# KiCad board 4-ch-backplane.kicad_pcb (continued)
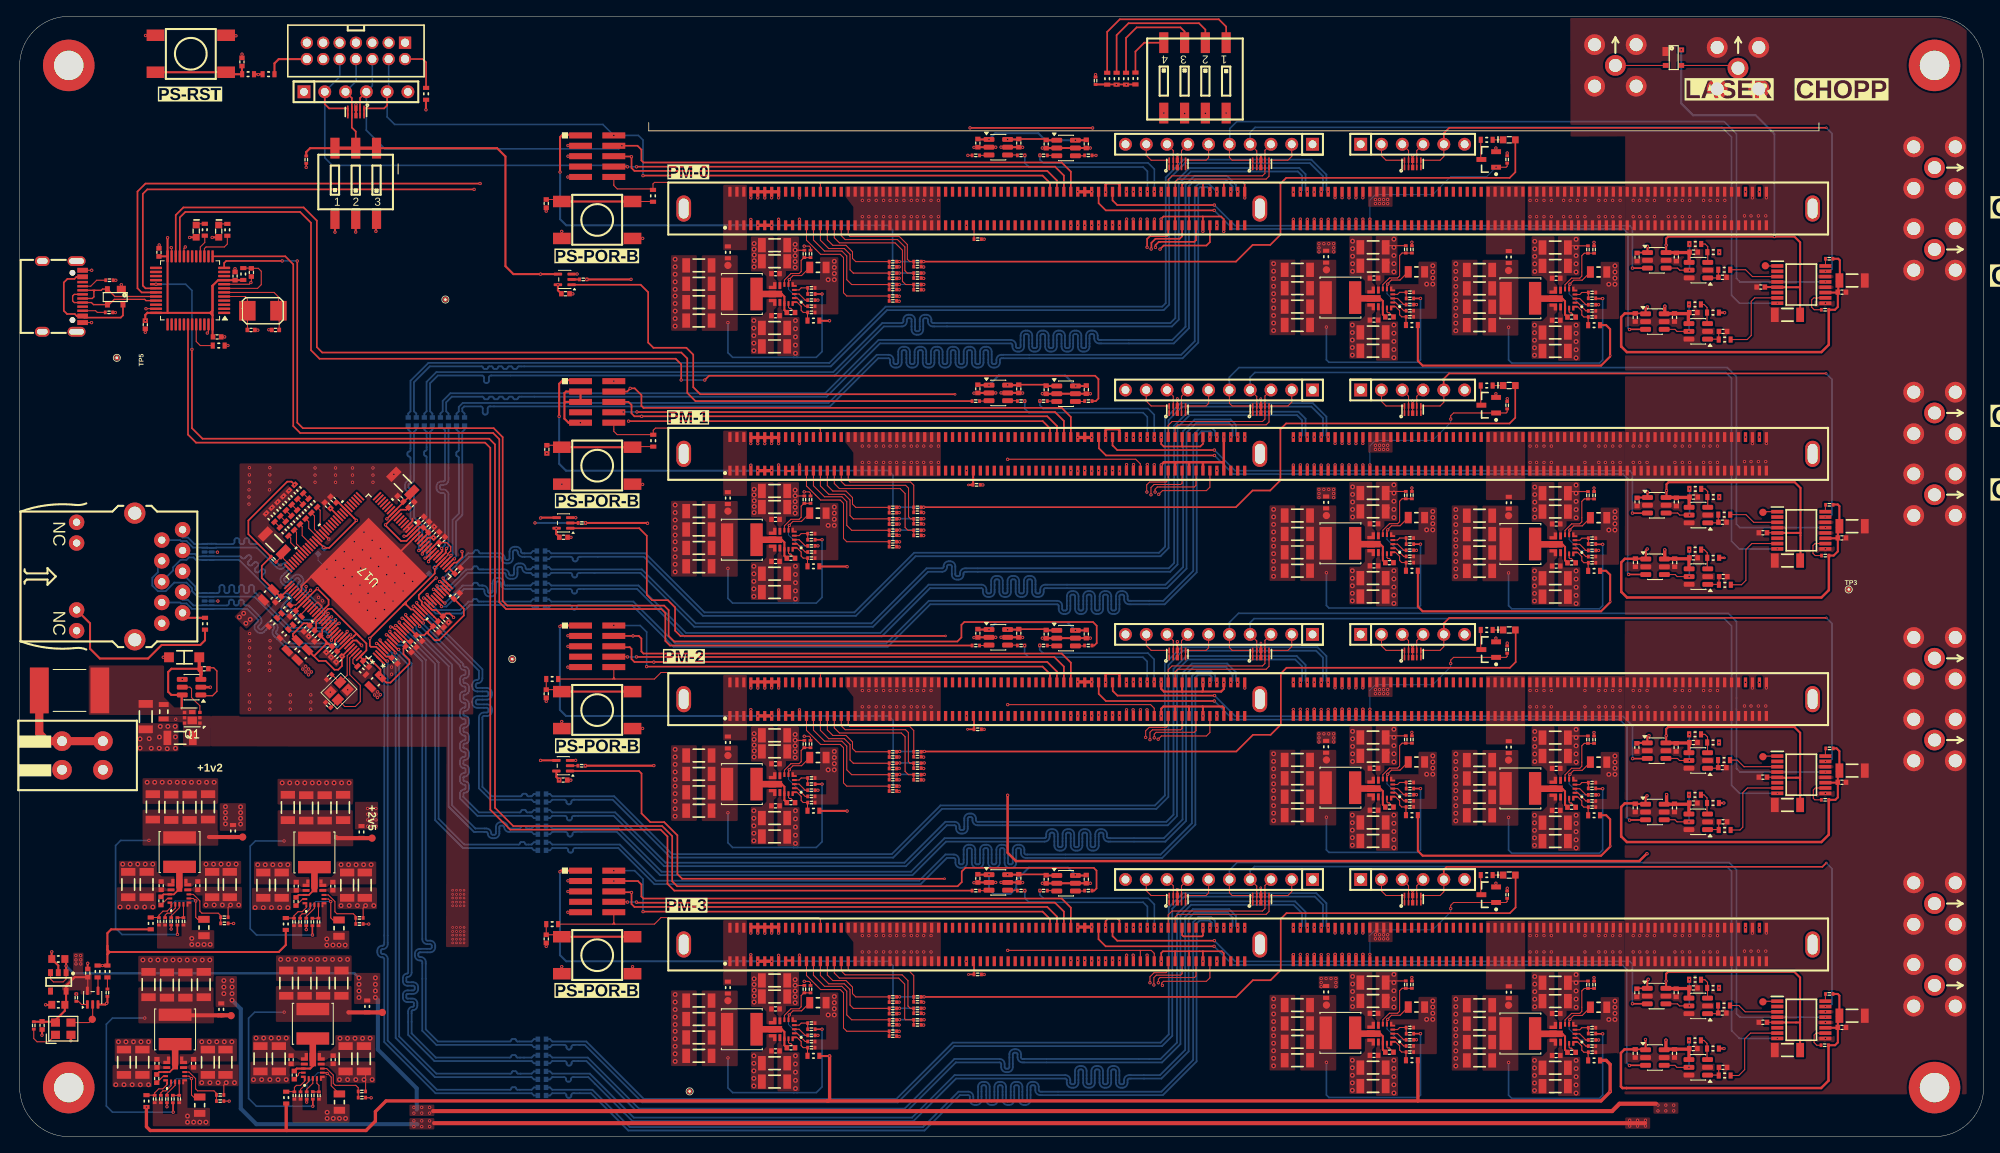
[diagram p0: board, top side]
## Library data of the parts (continued)
R9 = -: Description: RES 26.1K OHM 1/10W 1% 0402 SMD; Manufacturer: Panasonic Electronic Components; Manufacturer Part Number: ERJ-2RKF2612X; cad-reference: ERJ-2RKF2612X; ki_fp_filters: example:R0402_0.40MM_HD
R24 R25 R68 R75 R87 R94 R108 R115 R116 R124 R125 R169-R171 R207-R209 = -: Description: RES 12K OHM 1/10W 1% 0402 SMD; Manufacturer: Panasonic Electronic Components; Manufacturer Part Number: ERJ-2RKF1202X; cad-reference: ERJ-2RKF1202X; ki_fp_filters: example:R0402_0.40MM_HD
R26 R27 R133-R139 R149 R151 R189 R235-R238 R301 R302 = -: Description: RES 1K OHM 1/10W 1% 0603 SMD; Manufacturer: Panasonic Electronic Components; Manufacturer Part Number: ERJ-3EKF1001V; cad-reference: ERJ-3EKF1001V; ki_fp_filters: example:R0603_0.55MM_HD
R30 R31 R56 R59 R81 R84 R100 R152 R157 R158 R190 R195 R196 = -: Description: RES 90.9K OHM 1/10W 1% 0402 SMD; Manufacturer: Panasonic Electronic Components; Manufacturer Part Number: ERJ-2RKF9092X; cad-reference: ERJ-2RKF9092X; ki_fp_filters: example:R0402_0.40MM_HD
R37-R44 R48 R63 R175-R177 R213-R215 = -: Description: RES 24.9K OHM 1/10W 1% 0402 SMD; Manufacturer: Panasonic Electronic Components; Manufacturer Part Number: ERJ-2RKF2492X; cad-reference: ERJ-2RKF2492X; ki_fp_filters: example:R0402_0.40MM_HD
R67 R70 R71 R73 R82 R83 R85 R86 R93 R96 R101 R104 R109-R112 R117-R121 R129-R132 R141-R148 R160-R162 R166-R168 R198-R200 R204-R206 = -: Description: RES 0.0 OHM 1/10W JUMP 0603 SMD; Manufacturer: Panasonic Electronic Components; Manufacturer Part Number: ERJ-3GEY0R00V; cad-reference: ERJ-3GEY0R00V; ki_fp_filters: example:R0603_0.55MM_HD
R123 R126 R159 R197 = -: Description: RES 37.4K OHM 1/10W 1% 0402 SMD; Manufacturer: Panasonic Electronic Components; Manufacturer Part Number: ERJ-2RKF3742X; cad-reference: ERJ-2RKF3742X; ki_fp_filters: example:R0402_0.40MM_HD
R127 = -: Description: RES 0.0 OHM 1/8W JUMP 0805 SMD; Manufacturer: Panasonic Electronic Components; Manufacturer Part Number: ERJ-6GEY0R00V; cad-reference: ERJ-6GEY0R00V; ki_fp_filters: example:R0805_0.70MM_HD
R150 = -: Description: RES 6.04K OHM 1/10W 1% 0603 SMD; Manufacturer: Panasonic Electronic Components; Manufacturer Part Number: ERJ-3EKF6041V; cad-reference: ERJ-3EKF6041V; ki_fp_filters: example:R0603_0.55MM_HD
R242 R243 = -: Description: RES 5.1K OHM 1/10W 1% 0402 SMD; Manufacturer: Panasonic Electronic Components; Manufacturer Part Number: ERJ-2RKF5101X; cad-reference: ERJ-2RKF5101X; ki_fp_filters: example:R0402_0.40MM_HD
R244-R300 R303-R321 = -: Description: RES 0.0 OHM 1/10W JUMP 0402 SMD; Manufacturer: Panasonic Electronic Components; Manufacturer Part Number: ERJ-2GE0R00X; cad-reference: ERJ-2GE0R00X; ki_fp_filters: example:R0402_0.40MM_HD
SW1 = -: Description: 4 - SWITCH SLIDE DIP SPST 0.1A 20V; Manufacturer: CTS Electrocomponents; ki_fp_filters: example:219-4MST
SW6-SW8 SW11 SW13 = -: Description: SWITCH TACTILE SPST-NO 0.05A 24V; Manufacturer: TE Connectivity ALCOSWITCH Switches; ki_fp_filters: example:FSM4JSMATR
TP7-TP27 = -: Manufacturer: Example; Manufacturer Part Number: SMT_TP-35; cad-reference: SMT_TP-35; flags: NO_BOM; ki_fp_filters: example:SMT_TP-35
U1 = -: Description: Linear Voltage Regulator IC Positive Adjustable 1 Output 1A 6-WSON (2x2); KiLib_Generator: package/gullwing; Manufacturer: Texas Instruments
U2 U3 U18 = -: Description: Buck Switching Regulator IC Positive Adjustable 0.5V 1 Output 3A 14-PowerVFQFN; Manufacturer: Texas Instruments
U4 U6 U8 U9 U27 U28 U33 U34 U52-U59 = -: KiLib_Generator: package/gullwing; Manufacturer: Diodes Incorporated; cad-reference: 74LVC1T45GW,125
U5 U7 U29 U35 U43-U46 = -: KiLib_Generator: package/gullwing; Manufacturer: TI
U10 = -: Description: 300mA Fixed 3.3V Positive electrode 6V SOT-23-5 Voltage Regulators - Linear, Low Drop Out (LDO) Regulators ROHS; Manufacturer: Texas Instruments; ki_fp_filters: example:SOT23-5
U13 U39-U41 = -: KiLib_Generator: package/gullwing; Manufacturer: Texas Instruments
U16 U51 = -: Description: 6V Unidirectional 5.5V SOT-143 ESD and Surge Protection (TVS/ESD) ROHS; Manufacturer: Nexperia; cad-reference: PRTR5V0U2X_215
U17 = -: ki_fp_filters: TQFP128_EP_TX_MCH TQFP128_EP_TX_MCH-M TQFP128_EP_TX_MCH-L
U19-U25 U30-U32 U36-U38 = -: Description: -40℃~+150℃@(TJ) 1 1.6mA 1MHz 4V~18V 500mV~5.5V 6A Adjustable Buck Buck Built-In Yes VQFN-14-HR(2.5x3) DC-DC Converters ROHS; Manufacturer: Texas Instruments
U42 = -: Datasheet: https://item.szlcsc.com/datasheet/CH344L/3103740.html; KiLib_Generator: package/gullwing; LCSC PART NAME: USB转4串口芯片; SUPPLIER PART: C2887250; MANUFACTURER: WCH(南京沁恒); SUPPLIER FOOTPRINT: LQFP-48(7x7); JLCPCB PART CLASS: Extended Part; SUPPLIER: LCSC; ADD INTO BOM: yes; CONVERT TO PCB: yes; APPLICATIONS FUNCTION: USB to UART; USB PROTOCOL: USB 2.0; NUMBER OF CHANNELS: 4; VOLTAGE - SUPPLY: 3.3V；5V; DATA RATE: -; OPERATING TEMPERATURE: -40℃~+85℃; ki_fp_filters: *LQFP-48_L7.0-W7.0-P0.50-LS9.0-BL*
U47-U50 = -: Datasheet: https://componentsearchengine.com/Datasheets/2/AD5697RBRUZ.pdf; Description: Analog Devices AD5697RBRUZ, 2-channel 12 bit Serial DAC, 16-Pin TSSOP; Height: 1.2; Mouser Part Number: 584-AD5697RBRUZ; Mouser Price/Stock: https://www.mouser.co.uk/ProductDetail/Analog-Devices/AD5697RBRUZ?qs=NmRFExCfTkGiAz3P453SBg%3D%3D; Manufacturer_Name: Analog Devices
USB2 = -: Datasheet: https://lcsc.com/product-detail/USB-Connectors_XKB-Enterprise-U262-16XN-4BVC11_C319148.html; Manufacturer: XKB Connection; Manufacturer Part Number: U262-161N-4BVC11
X1 = -: Description: CRYSTAL 8.0000MHZ 18PF SMD; Manufacturer: Abracon LLC; Manufacturer Part Number: ABM3-8.000MHZ-D2Y-T; cad-reference: ABM3-8.000MHZ-D2Y-T; ki_fp_filters: example:ABM3
Y1 = -: Description: -40℃~+85℃ 1MHz 3.3V 4.5mA LVCMOS ±25ppm SMD2520-4P Programmable Oscillators ROHS; Manufacturer: SiTime
Y2 = -: Description: 25 MHz ±10ppm Crystal 18pF 50 Ohms 4-SMD, No Lead; Manufacturer: ECS Inc.; Manufacturer PN: ECS-250-18-36B-CKY-TR

## Footprints (pads in the part's own frame, mm; a bottom-side part is the same pattern mirrored in y, then rotated)
100_1_6
  rect 1.575x1.575 hole 0.965: 1(-6.35,0)
  round 1.575 hole 0.965: 2(-3.81,0) 3(-1.27,0) 4(1.27,0) 5(3.81,0) 6(6.35,0)
100_1_10
  rect 1.575x1.575 hole 0.965: 1(-11.43,0)
  round 1.575 hole 0.965: 2(-8.89,0) 3(-6.35,0) 4(-3.81,0) 5(-1.27,0) 6(1.27,0) 7(3.81,0) 8(6.35,0) 9(8.89,0) 10(11.43,0)
219-3MST
  rect 1.118x2.54 smd: 1(-2.54,-4.305) 2(-2.54,4.305) 3(0,-4.305) 4(0,4.305) 5(2.54,-4.305) 6(2.54,4.305)
219-4MST
  rect 1.118x2.54 smd: 1(-3.81,-4.305) 2(-3.81,4.305) 3(-1.27,-4.305) 4(-1.27,4.305) 5(1.27,-4.305) 6(1.27,4.305) 7(3.81,-4.305) 8(3.81,4.305)
2601-1102
  round 2.4 hole 1.2: 1(-1.75,2.5) 1(-1.75,-2.5) 2(1.75,2.5) 2(1.75,-2.5)
90414-15011-21
  oval 1.8x3.2 hole 1.2x2.45: 0(-68.975,0) 0(1.425,0) 0(68.975,0)
  rect 0.4x1.2 smd: 1(-63.325,-2.05) 2(-62.475,-2.05) 3(-61.625,-2.05) 4(-60.775,-2.05) 5(-59.925,-2.05) 6(-59.075,-2.05) 7(-58.225,-2.05) 8(-57.375,-2.05) 9(-56.525,-2.05) 10(-55.675,-2.05) 11(-54.825,-2.05) 12(-53.975,-2.05) 13(-53.125,-2.05) 14(-52.275,-2.05) 15(-51.425,-2.05) 16(-50.575,-2.05) 17(-49.725,-2.05) 18(-48.875,-2.05) 19(-48.025,-2.05) 20(-47.175,-2.05) 21(-46.325,-2.05) 22(-45.475,-2.05) 23(-44.625,-2.05) 24(-43.775,-2.05) 25(-42.925,-2.05) 26(-42.075,-2.05) 27(-41.225,-2.05) 28(-40.375,-2.05) 29(-39.525,-2.05) 30(-38.675,-2.05) 31(-37.825,-2.05) 32(-36.975,-2.05) 33(-36.125,-2.05) 34(-35.275,-2.05) 35(-34.425,-2.05) 36(-33.575,-2.05) 37(-32.725,-2.05) 38(-31.875,-2.05) 39(-31.025,-2.05) 40(-30.175,-2.05) 41(-29.325,-2.05) 42(-28.475,-2.05) 43(-27.625,-2.05) 44(-26.775,-2.05) 45(-25.925,-2.05) 46(-25.075,-2.05) 47(-24.225,-2.05) 48(-23.375,-2.05) 49(-22.525,-2.05) 50(-21.675,-2.05) 51(-20.825,-2.05) 52(-19.975,-2.05) 53(-19.125,-2.05) 54(-18.275,-2.05) 55(-17.425,-2.05) 56(-16.575,-2.05) 57(-15.725,-2.05) 58(-14.875,-2.05) 59(-14.025,-2.05) 60(-13.175,-2.05) 61(-12.325,-2.05) 62(-11.475,-2.05) 63(-10.625,-2.05) 64(-9.775,-2.05) 65(-8.925,-2.05) 66(-8.075,-2.05) 67(-7.225,-2.05) 68(-6.375,-2.05) 69(-5.525,-2.05) 70(-4.675,-2.05) 71(-3.825,-2.05) 72(-2.975,-2.05) 73(-2.125,-2.05) 74(-1.275,-2.05) 75(-0.425,-2.05) 76(5.525,-2.05) 77(6.375,-2.05) 78(7.224,-2.05) 79(8.075,-2.05) 80(8.924,-2.05) 81(9.775,-2.05) 82(10.624,-2.05) 83(11.475,-2.05) 84(12.325,-2.05) 85(13.175,-2.05) 86(14.025,-2.05) 87(14.875,-2.05) 88(15.725,-2.05) 89(16.575,-2.05) 90(17.425,-2.05) 91(18.275,-2.05) 92(19.125,-2.05) 93(19.974,-2.05) 94(20.825,-2.05) 95(21.675,-2.05) 96(22.525,-2.05) 97(23.374,-2.05) 98(24.224,-2.05) 99(25.075,-2.05) 100(25.924,-2.05) 101(26.775,-2.05) 102(27.624,-2.05) 103(28.475,-2.05) 104(29.325,-2.05) 105(30.175,-2.05) 106(31.024,-2.05) 107(31.875,-2.05) 108(32.725,-2.05) 109(33.575,-2.05) 110(34.424,-2.05) 111(35.274,-2.05) 112(36.125,-2.05) 113(36.975,-2.05) 114(37.825,-2.05) 115(38.674,-2.05) 116(39.525,-2.05) 117(40.375,-2.05) 118(41.224,-2.05) 119(42.075,-2.05) 120(42.924,-2.05) 121(43.774,-2.05) 122(44.625,-2.05) 123(45.475,-2.05) 124(46.325,-2.05) 125(47.175,-2.05) 126(48.024,-2.05) 127(48.875,-2.05) 128(49.725,-2.05) 129(50.575,-2.05) 130(51.424,-2.05) 131(52.275,-2.05) 132(53.125,-2.05) 133(53.975,-2.05) 134(54.825,-2.05) 135(55.675,-2.05) 136(56.525,-2.05) 137(57.374,-2.05) 138(58.225,-2.05) 139(59.074,-2.05) 140(59.924,-2.05) 141(60.774,-2.05) 142(61.624,-2.05) 143(62.474,-2.05) 144(63.324,-2.05) 145(-63.325,2.05) 146(-62.475,2.05) 147(-61.625,2.05) 148(-60.775,2.05) 149(-59.925,2.05) 150(-59.075,2.05) 151(-58.225,2.05) 152(-57.375,2.05) 153(-56.525,2.05) 154(-55.675,2.05) 155(-54.825,2.05) 156(-53.975,2.05) 157(-53.125,2.05) 158(-52.275,2.05) 159(-51.425,2.05) 160(-50.575,2.05) 161(-49.725,2.05) 162(-48.875,2.05) 163(-48.025,2.05) 164(-47.175,2.05) 165(-46.325,2.05) 166(-45.475,2.05) 167(-44.625,2.05) 168(-43.775,2.05) 169(-42.925,2.05) 170(-42.075,2.05) 171(-41.225,2.05) 172(-40.375,2.05) 173(-39.525,2.05) 174(-38.675,2.05) 175(-37.825,2.05) 176(-36.975,2.05) 177(-36.125,2.05) 178(-35.275,2.05) 179(-34.425,2.05) 180(-33.575,2.05) 181(-32.725,2.05) 182(-31.875,2.05) 183(-31.025,2.05) 184(-30.175,2.05) 185(-29.325,2.05) 186(-28.475,2.05) 187(-27.625,2.05) 188(-26.775,2.05) 189(-25.925,2.05) 190(-25.075,2.05) 191(-24.225,2.05) 192(-23.375,2.05) 193(-22.525,2.05) 194(-21.675,2.05) 195(-20.825,2.05) 196(-19.975,2.05) 197(-19.125,2.05) 198(-18.275,2.05) 199(-17.425,2.05) 200(-16.575,2.05) 201(-15.725,2.05) 202(-14.875,2.05) 203(-14.025,2.05) 204(-13.175,2.05) 205(-12.325,2.05) 206(-11.475,2.05) 207(-10.625,2.05) 208(-9.775,2.05) 209(-8.925,2.05) 210(-8.075,2.05) 211(-7.225,2.05) 212(-6.375,2.05) 213(-5.525,2.05) 214(-4.675,2.05) 215(-3.825,2.05) 216(-2.975,2.05) 217(-2.125,2.05) 218(-1.275,2.05) 219(-0.425,2.05) 220(5.525,2.05) 221(6.375,2.05) 222(7.225,2.05) 223(8.075,2.05) 224(8.925,2.05) 225(9.775,2.05) 226(10.625,2.05) 227(11.475,2.05) 228(12.325,2.05) 229(13.175,2.05) 230(14.025,2.05) 231(14.875,2.05) 232(15.725,2.05) 233(16.575,2.05) 234(17.425,2.05) 235(18.275,2.05) 236(19.125,2.05) 237(19.975,2.05) 238(20.825,2.05) 239(21.675,2.05) 240(22.525,2.05) 241(23.375,2.05) 242(24.225,2.05) 243(25.075,2.05) 244(25.925,2.05) 245(26.775,2.05) 246(27.625,2.05) 247(28.475,2.05) 248(29.325,2.05) 249(30.175,2.05) 250(31.025,2.05) 251(31.875,2.05) 252(32.725,2.05) 253(33.575,2.05) 254(34.425,2.05) 255(35.275,2.05) 256(36.125,2.05) 257(36.975,2.05) 258(37.825,2.05) 259(38.675,2.05) 260(39.525,2.05) 261(40.375,2.05) 262(41.225,2.05) 263(42.075,2.05) 264(42.925,2.05) 265(43.775,2.05) 266(44.625,2.05) 267(45.475,2.05) 268(46.325,2.05) 269(47.175,2.05) 270(48.025,2.05) 271(48.875,2.05) 272(49.725,2.05) 273(50.575,2.05) 274(51.425,2.05) 275(52.275,2.05) 276(53.125,2.05) 277(53.975,2.05) 278(54.825,2.05) 279(55.675,2.05) 280(56.525,2.05) 281(57.375,2.05) 282(58.225,2.05) 283(59.075,2.05) 284(59.925,2.05) 285(60.775,2.05) 286(61.625,2.05) 287(62.475,2.05) 288(63.325,2.05)
ABM3
  rect 2x2.4 smd: 1(-1.9,0) 2(1.9,0)
C0402_0.55MM_HD
  rect 0.46x0.54 smd: 1(-0.45,0) 2(0.45,0)
C0402_0.55MM_MD
  rect 0.56x0.64 smd: 1(-0.5,0) 2(0.5,0)
C0603_0.90MM_MD
  rect 0.85x0.95 smd: 1(-0.8,0) 2(0.8,0)
C0805_1.45MM_MD
  rect 0.85x1.4 smd: 1(-1,0) 2(1,0)
C1206_1.80MM_MD
  rect 0.95x1.75 smd: 1(-1.55,0) 2(1.55,0)
C1206_2.00MM_MD
  rect 0.95x1.75 smd: 1(-1.55,0) 2(1.55,0)
D_SOD-123_P
  rect 1.2x1.2 smd: 1(-1.85,0) 2(1.85,0)
Diodes_UDFN2020-6_Type-F
  rect 0.425x0.4 smd: 1(-0.938,0.65) 2(-0.938,0) 3(-0.938,-0.65) 4(0.938,-0.65) 5(0.938,0) 6(0.938,0.65)
  rect 1.15x0.95 smd: 7(0,0.325)
  rect 0.8x0.48 smd: 8(0,-0.7)
FSM4JSMATR
  rect 1.397x2.159 smd: A(-2.261,4.318) A(-2.261,-4.318) B(2.261,4.318) B(2.261,-4.318)
FTSH-105-05-F-DV
  rect 0.001x0.001 hole 0.965 unplated: (-1.905,0) (1.905,0)
  rect 0.737x2.794 smd: 1(-2.54,-2.032) 2(-2.54,2.032) 3(-1.27,-2.032) 4(-1.27,2.032) 5(0,-2.032) 6(0,2.032) 7(1.27,-2.032) 8(1.27,2.032) 9(2.54,-2.032) 10(2.54,2.032)
FUSE_0ZCF0075AF2C
  rect 2.3x5.6 smd: 1(-3.7,0) 2(3.7,0)
HFJ11-1G01ERL
  round 0.001 hole 3.25 unplated: (-5.715,0) (5.715,0)
  round 2.6 hole 1.6: 0(-7.745,3.05) 0(7.745,3.05)
  round 1.89 hole 0.89: 1(-5.72,8.89) 2(-4.45,6.35) 3(-3.18,8.89) 4(-1.91,6.35) 5(-0.64,8.89) 6(0.64,6.35) 7(1.91,8.89) 8(3.18,6.35) 9(4.45,8.89) 10(5.72,6.35) 11(-6.63,-4.06) 12(-4.09,-4.06) 13(4.09,-4.06) 14(6.63,-4.06)
IND_VLS5045EX-3R3N
  rect 1.5x4 smd: 1(-1.8,0) 2(1.8,0)
LED-0603-GREEN
  rect 0.8x0.85 smd: A(-0.75,0) C(0.75,0)
LQFP-48_7x7mm_P0.5mm
  rrect 1.475x0.3 smd: 1(-4.162,2.75) 2(-4.162,2.25) 3(-4.162,1.75) 4(-4.162,1.25) 5(-4.162,0.75) 6(-4.162,0.25) 7(-4.162,-0.25) 8(-4.162,-0.75) 9(-4.162,-1.25) 10(-4.162,-1.75) 11(-4.162,-2.25) 12(-4.162,-2.75) 25(4.162,-2.75) 26(4.162,-2.25) 27(4.162,-1.75) 28(4.162,-1.25) 29(4.162,-0.75) 30(4.162,-0.25) 31(4.162,0.25) 32(4.162,0.75) 33(4.162,1.25) 34(4.162,1.75) 35(4.162,2.25) 36(4.162,2.75)
  rrect 0.3x1.475 smd: 13(-2.75,-4.162) 14(-2.25,-4.162) 15(-1.75,-4.162) 16(-1.25,-4.162) 17(-0.75,-4.162) 18(-0.25,-4.162) 19(0.25,-4.162) 20(0.75,-4.162) 21(1.25,-4.162) 22(1.75,-4.162) 23(2.25,-4.162) 24(2.75,-4.162) 37(2.75,4.162) 38(2.25,4.162) 39(1.75,4.162) 40(1.25,4.162) 41(0.75,4.162) 42(0.25,4.162) 43(-0.25,4.162) 44(-0.75,4.162) 45(-1.25,4.162) 46(-1.75,4.162) 47(-2.25,4.162) 48(-2.75,4.162)
M3
  round 0.001 hole 0.6: 1(-2.475,0) 1(-2.287,0.947) 1(-2.287,-0.947) 1(-1.75,1.75) 1(-1.75,-1.75) 1(-0.947,2.287) 1(-0.947,-2.287) 1(0,2.475) 1(0,-2.475) 1(0.947,2.287) 1(0.947,-2.287) 1(1.75,1.75) 1(1.75,-1.75) 1(2.287,0.947) 1(2.287,-0.947) 1(2.475,0)
  round 6.3 hole 3.6: 1(0,0)
OSC-SMD_4P-L2.5-W2.0-P1.50-BL
  rect 1.1x1 smd: 1(-0.95,-0.75) 2(0.95,-0.75) 3(0.95,0.75) 4(-0.95,0.75)
R0402_0.40MM_HD
  rect 0.35x0.45 smd: 1(-0.45,0) 2(0.45,0)
R0603_0.55MM_HD
  rect 0.5x0.75 smd: 1(-0.725,0) 2(0.725,0)
R0805_0.60MM_HD
  rect 0.75x1.35 smd: 1(-0.875,0) 2(0.875,0)
R0805_0.70MM_HD
  rect 0.6x1.2 smd: 1(-0.875,0) 2(0.875,0)
SHDR14W55P200_2X7_1665X630X640
  rect 1.5x1.5 hole 1: 1(0,0)
  round 1.5 hole 1: 2(0,2) 3(2,0) 4(2,2) 5(4,0) 6(4,2) 7(6,0) 8(6,2) 9(8,0) 10(8,2) 11(10,0) 12(10,2) 13(12,0) 14(12,2)
SLP2510P8_L2.5-W1.0-P0.50-BL
  rect 0.2x0.68 smd: 1(-1,-0.44) 2(-0.5,-0.44) 4(0.5,-0.44) 5(1,-0.44) 6(1,0.44) 7(0.5,0.44) 9(-0.5,0.44) 10(-1,0.44)
  rect 0.4x0.68 smd: 3(0,-0.44) 8(0,0.44)
SMA-J-P-RA-TH1
  round 2.54 hole 1.6: 1(0,0) 2(-2.54,2.54) 2(-2.54,-2.54) 2(2.54,2.54) 2(2.54,-2.54)
SMA-J-P-RA-TH1#2
  round 2.54 hole 1.6: 1(-0.019,-0.336) 2(-2.559,2.204) 2(-2.559,-2.876) 2(2.521,2.204) 2(2.521,-2.876)
SMT_TP-25_GND
  round 0.635 hole 0.3: 1(0,0)
SMT_TP-35
  round 0.889 smd: 1(0,0)
SMT_TP-35#2
  round 0.889 smd: 1(0.001,-0.064)
SMT_TP-35#3
  round 0.889 smd: 1(-0.425,0)
SMT_TP-35#4
  round 0.889 smd: 1(-5.139,0)
SMT_TP-35#5
  round 0.889 smd: 1(-0.069,0.816)
SMT_TP-35#6
  round 0.889 smd: 1(-3.539,0)
SMT_TP-35#7
  round 0.889 smd: 1(-0.3,-0.1)
SOP65P640X120-16N
  rect 1.475x0.45 smd: 1(-2.938,2.275) 2(-2.938,1.625) 3(-2.938,0.975) 4(-2.938,0.325) 5(-2.938,-0.325) 6(-2.938,-0.975) 7(-2.938,-1.625) 8(-2.938,-2.275) 9(2.938,-2.275) 10(2.938,-1.625) 11(2.938,-0.975) 12(2.938,-0.325) 13(2.938,0.325) 14(2.938,0.975) 15(2.938,1.625) 16(2.938,2.275)
SOT23-5
  rect 0.85x0.6 smd: 1(-1.125,0.95) 2(-1.125,0) 3(-1.125,-0.95) 4(1.125,-0.95) 5(1.125,0.95)
SOT143B
  rect 1.1x0.8 smd: 1(-0.751,-0.95)
  rect 0.6x0.7 smd: 2(0.951,-0.95) 3(0.951,0.95) 4(-0.951,0.95)
SOT-23
  rect 1.2x0.6 smd: 1(-0.9,0.95) 2(-0.9,-0.95) 3(0.9,0)
SOT-23-6
  rrect 1.325x0.6 smd: 1(-1.137,0.95) 2(-1.137,0) 3(-1.137,-0.95) 4(1.137,-0.95) 5(1.137,0) 6(1.137,0.95)
SOT-353_SC-70-5
  rrect 1.025x0.35 smd: 1(-0.838,0.65) 2(-0.838,0) 3(-0.838,-0.65) 4(0.838,-0.65) 5(0.838,0.65)
TPS62918QRPYRQ1
  rect 0.35x0.225 smd: 1(-1.524,0.988) 5(-1.524,-0.988) 10(1.524,0.238) 10(1.524,-0.238)
  rect 0.275x0.575 smd: 1(-1.212,1.163) 5(-1.212,-1.163)
  rect 0.575x0.25 smd: 2(-1.412,0.499) 3(-1.412,0) 4(-1.412,-0.499)
  rect 0.25x0.575 smd: 6(-0.7,-1.163) 7(-0.2,-1.163) 13(-0.2,1.163) 14(-0.7,1.163)
  rect 0.35x0.85 smd: 8(0.35,-1.025) 12(0.35,1.025)
  rect 0.4x0.85 smd: 9(0.975,-1.025) 11(0.975,1.025)
  rect 0.525x0.4 smd: 9(1.437,-0.8) 11(1.437,0.8)
  rect 1.225x0.7 smd: 10(0.737,0)
TPS543620RPYR
  custom 0.635x0.585 smd: 1(-1.6,1) 5(-1.6,-1)
  rect 0.575x0.25 smd: 2(-1.413,0.499) 3(-1.413,0) 4(-1.413,-0.499)
  rect 0.25x0.575 smd: 6(-0.701,-1.163) 7(-0.2,-1.163) 13(-0.2,1.163) 14(-0.701,1.163)
  rect 0.35x0.85 smd: 8(0.35,-1.025) 12(0.35,1.025)
  custom 0.935x0.86 smd: 9(1.6,-0.8) 11(1.6,0.8)
  rect 1.675x0.8 smd: 10(0.912,0)
TQFP128_EP_TX_MCH
  rect 1.353x0.229 smd: 1(-7.674,6.2) 2(-7.674,5.8) 3(-7.674,5.4) 4(-7.674,5) 5(-7.674,4.6) 6(-7.674,4.2) 7(-7.674,3.8) 8(-7.674,3.4) 9(-7.674,3) 10(-7.674,2.6) 11(-7.674,2.2) 12(-7.674,1.8) 13(-7.674,1.4) 14(-7.674,1) 15(-7.674,0.6) 16(-7.674,0.2) 17(-7.674,-0.2) 18(-7.674,-0.6) 19(-7.674,-1) 20(-7.674,-1.4) 21(-7.674,-1.8) 22(-7.674,-2.2) 23(-7.674,-2.6) 24(-7.674,-3) 25(-7.674,-3.4) 26(-7.674,-3.8) 27(-7.674,-4.2) 28(-7.674,-4.6) 29(-7.674,-5) 30(-7.674,-5.4) 31(-7.674,-5.8) 32(-7.674,-6.2) 65(7.674,-6.2) 66(7.674,-5.8) 67(7.674,-5.4) 68(7.674,-5) 69(7.674,-4.6) 70(7.674,-4.2) 71(7.674,-3.8) 72(7.674,-3.4) 73(7.674,-3) 74(7.674,-2.6) 75(7.674,-2.2) 76(7.674,-1.8) 77(7.674,-1.4) 78(7.674,-1) 79(7.674,-0.6) 80(7.674,-0.2) 81(7.674,0.2) 82(7.674,0.6) 83(7.674,1) 84(7.674,1.4) 85(7.674,1.8) 86(7.674,2.2) 87(7.674,2.6) 88(7.674,3) 89(7.674,3.4) 90(7.674,3.8) 91(7.674,4.2) 92(7.674,4.6) 93(7.674,5) 94(7.674,5.4) 95(7.674,5.8) 96(7.674,6.2)
  rect 0.229x1.353 smd: 33(-6.2,-7.674) 34(-5.8,-7.674) 35(-5.4,-7.674) 36(-5,-7.674) 37(-4.6,-7.674) 38(-4.2,-7.674) 39(-3.8,-7.674) 40(-3.4,-7.674) 41(-3,-7.674) 42(-2.6,-7.674) 43(-2.2,-7.674) 44(-1.8,-7.674) 45(-1.4,-7.674) 46(-1,-7.674) 47(-0.6,-7.674) 48(-0.2,-7.674) 49(0.2,-7.674) 50(0.6,-7.674) 51(1,-7.674) 52(1.4,-7.674) 53(1.8,-7.674) 54(2.2,-7.674) 55(2.6,-7.674) 56(3,-7.674) 57(3.4,-7.674) 58(3.8,-7.674) 59(4.2,-7.674) 60(4.6,-7.674) 61(5,-7.674) 62(5.4,-7.674) 63(5.8,-7.674) 64(6.2,-7.674) 97(6.2,7.674) 98(5.8,7.674) 99(5.4,7.674) 100(5,7.674) 101(4.6,7.674) 102(4.2,7.674) 103(3.8,7.674) 104(3.4,7.674) 105(3,7.674) 106(2.6,7.674) 107(2.2,7.674) 108(1.8,7.674) 109(1.4,7.674) 110(1,7.674) 111(0.6,7.674) 112(0.2,7.674) 113(-0.2,7.674) 114(-0.6,7.674) 115(-1,7.674) 116(-1.4,7.674) 117(-1.8,7.674) 118(-2.2,7.674) 119(-2.6,7.674) 120(-3,7.674) 121(-3.4,7.674) 122(-3.8,7.674) 123(-4.2,7.674) 124(-4.6,7.674) 125(-5,7.674) 126(-5.4,7.674) 127(-5.8,7.674) 128(-6.2,7.674)
  rect 10.16x10.16 smd: EPAD(0,0)
USB-3.1-SMD_U262-161N-4BVC11
  round 0.7 hole 0.7 unplated: (-2.89,1.22) (2.89,1.22)
  oval 1.2x2.2 hole 0.7x1.8: 13(4.32,1.72) 16(-4.32,1.72)
  oval 1.2x1.8 hole 0.7x1.3: 14(4.32,-2.46) 15(-4.32,-2.46)
  rect 0.6x1.3 smd: A1B12(-3.2,2.46) A4B9(-2.4,2.46) B1A12(3.2,2.46) B4A9(2.4,2.46)
  rect 0.3x1.3 smd: A5(-1.25,2.46) A6(-0.25,2.46) A7(0.25,2.46) A8(1.25,2.46) B5(1.75,2.46) B6(0.75,2.46) B7(-0.75,2.46) B8(-1.75,2.46)
XTAL_ECS-250-18-36B-CKY-TR
  rect 1.2x1 smd: 1(-0.85,-0.65) 2(0.85,-0.65) 3(0.85,0.65) 4(-0.85,0.65)

## Nets
+1V2: FB2.1 FB3.1 R117.2
+1V8: C82.2 C93.2 C151.2 C156.2 C218.2 C219.2 C220.2 C221.2 C223.2 C224.2 C266.2 C268.2 C269.2 C319.2 C320.2 C321.2 C335.2 C336.2 C339.2 C340.2 C343.2 C344.2 C347.2 C348.2 FB4.1 J7.35 J9.35 J9.60 J11.35 J11.62 J35.35 J35.60 J35.62 R6.2 R47.2 R118.2 R128.2 R154.2 R155.2 R156.2 R187.2 R188.2 R192.2 R235.2 R236.2 R237.2 R238.2 U4.1 U6.1 U8.1 U9.1 U27.1 U28.1 U33.1 U34.1 U47.11 U48.11 U49.11 U50.11 U52.6 U53.1 U54.6 U55.1 U56.6 U57.1 U58.6 U59.1
+2V5: FB1.1 R109.2
+3v3: C71.2 C139.2 C150.2 C309.2 C310.2 C311.2 C312.2 C313.2 C314.2 C315.2 C337.2 C338.2 C341.2 C342.2 C345.2 C346.2 C349.2 C350.2 D34.A D35.A J6.13 J24.1 R23.2 R96.2 R112.1 R140.2 U10.5 U13.5 U39.5 U40.5 U41.5 U42.9 U42.24 U42.36 U42.48 U52.1 U53.6 U54.1 U55.6 U56.1 U57.6 U58.1 U59.6 Y1.4
+5V: C2.2 C5.2 C70.2 C83.2 C105.2 C152.2 C153.2 C155.2 C157.2 C167.2 C213.2 C214.2 C215.2 C216.2 C217.2 C225.2 C226.2 C227.2 C270.2 C271.2 C272.2 C322.2 C323.2 C324.2 C325.2 R101.2 U4.6 U5.4 U6.6 U7.4 U8.6 U9.6 U10.1 U10.3 U16.4 U27.6 U28.6 U29.4 U33.6 U34.6 U35.4 U43.4 U44.4 U45.4 U46.4 U47.5 U48.5 U49.5 U50.5
+12v: FU1.1 J3.1
/TOP_LEVEL_IO/NET_SWITCH/+1V8_ETH: C49.2 C195.2 C196.2 C197.2 C198.2 FB4.2 R13.2 R148.2 U17.49 U17.57 U17.74 U17.98
/TOP_LEVEL_IO/USB_UART_4CH/VBUS: U51.4 USB2.A4B9 USB2.B4A9
GND: C1.1 C2.1 C3.1 C4.1 C5.1 C6.1 C7.1 C8.1 C9.1 C10.1 C11.1 C12.1 C13.1 C14.1 C15.1 C16.1 C17.1 C18.1 C19.1 C20.1 C21.1 C22.1 C23.1 C24.1 C25.1 C26.1 C27.1 C28.1 C29.1 C30.1 C31.1 C32.1 C33.1 C34.1 C35.1 C36.1 C37.1 C38.1 C39.1 C40.1 C41.1 C42.1 C43.1 C44.1 C45.1 C46.1 C47.1 C48.1 C49.1 C50.1 C51.1 C52.1 C53.1 C54.1 C55.1 C56.1 C57.1 C58.1 C59.1 C60.1 C61.1 C62.1 C63.1 C64.1 C65.1 C66.1 C67.1 C70.1 C71.1 C72.1 C74.1 C75.1 C76.1 C77.1 C78.1 C79.1 C82.1 C83.1 C84.1 C85.1 C86.1 C87.1 C88.1 C89.1 C90.1 C91.1 C93.1 C94.1 C95.1 C96.1 C97.1 C98.1 C99.1 C100.1 C101.1 C102.1 C103.1 C105.1 C106.1 C107.1 C108.1 C109.1 C110.1 C111.1 C112.1 C113.1 C114.1 C115.1 C118.1 C119.1 C120.1 C121.1 C122.1 C123.1 C124.1 C125.1 C126.1 C138.1 C139.1 C146.1 C147.1 C148.1 C149.1 C150.1 C151.1 C152.1 C153.1 C154.1 C155.1 C156.1 C157.1 C167.1 C168.1 C169.1 C170.1 C171.1 C172.1 C173.1 C174.1 C175.1 C176.1 C177.1 C178.1 C179.1 C180.1 C181.1 C182.1 C183.1 C184.1 C185.1 C186.1 C187.1 C188.1 C189.1 C190.1 C191.1 C192.1 C193.1 C194.1 C195.1 C196.1 C197.1 C198.1 C213.1 C214.1 C215.1 C216.1 C217.1 C218.1 C219.1 C220.1 C221.1 C222.1 C223.1 C224.1 C225.1 C226.1 C227.1 C228.1 C229.1 C230.1 C231.1 C232.1 C233.1 C234.1 C235.1 C236.1 C237.1 C238.1 C239.1 C240.1 C241.1 C242.1 C243.1 C244.1 C245.1 C249.1 C250.1 C251.1 C252.1 C253.1 C254.1 C255.1 C256.1 C257.1 C258.1 C259.1 C260.1 C261.1 C262.1 C263.1 C264.1 C265.1 C266.1 C267.1 C268.1 C269.1 C270.1 C271.1 C272.1 C273.1 C274.1 C275.1 C276.1 C277.1 C278.1 C279.1 C280.1 C281.1 C282.1 C283.1 C284.1 C285.1 C286.1 C287.1 C288.1 C289.1 C290.1 C294.1 C295.1 C296.1 C297.1 C298.1 C299.1 C300.1 C301.1 C302.1 C303.1 C304.1 C305.1 C306.1 C307.1 C308.1 C309.1 C310.1 C311.1 C312.1 C313.1 C314.1 C315.1 C316.1 C317.1 C318.1 C319.1 C320.1 C321.1 C322.1 C323.1 C324.1 C325.1 C326.1 C327.1 C328.1 C329.1 C330.1 C331.1 C332.1 C333.1 C335.1 C336.1 C337.1 C338.1 C339.1 C340.1 C341.1 C342.1 C343.1 C344.1 C345.1 C346.1 C347.1 C348.1 C349.1 C350.1 D1.1 D2.3 D2.8 D4.3 D4.8 D5.3 D5.8 D6.3 D6.8 D8.3 D8.8 D9.3 D9.8 D10.3 D10.8 D11.3 D11.8 D12.3 D12.8 D19.3 D19.8 D22.3 D22.8 D23.3 D23.8 D24.3 D24.8 D28.3 D28.8 D29.3 D29.8 J2.1 J2.3 J2.5 J2.7 J2.9 J2.11 J2.13 J3.2 J4.2 J6.0 J6.10 J6.12 J7.4 J7.8 J7.11 J7.19 J7.20 J7.21 J7.22 J7.23 J7.24 J7.25 J7.26 J7.27 J7.28 J7.29 J7.30 J7.31 J7.50 J7.52 J7.54 J7.56 J7.58 J7.59 J7.60 J7.61 J7.62 J7.63 J7.65 J7.67 J7.69 J7.72 J7.76 J7.79 J7.82 J7.83 J7.84 J7.85 J7.86 J7.110 J7.111 J7.112 J7.113 J7.114 J7.115 J7.116 J7.117 J7.118 J7.119 J7.120 J7.121 J7.122 J7.123 J7.124 J7.125 J7.126 J7.127 J7.128 J7.129 J7.130 J7.131 J7.132 J7.133 J7.134 J7.135 J7.136 J7.137 J7.138 J7.139 J7.140 J7.141 J7.142 J7.143 J7.144 J7.148 J7.149 J7.150 J7.151 J7.152 J7.155 J7.162 J7.163 J7.164 J7.165 J7.166 J7.167 J7.168 J7.169 J7.170 J7.171 J7.172 J7.173 J7.174 J7.175 J7.195 J7.196 J7.197 J7.199 J7.201 J7.204 J7.207 J7.210 J7.213 J7.216 J7.219 J7.220 J7.223 J7.226 J7.227 J7.228 J7.229 J7.230 J7.254 J7.255 J7.256 J7.257 J7.258 J7.259 J7.260 J7.261 J7.262 J7.263 J7.264 J7.265 J7.266 J7.267 J7.268 J7.269 J7.270 J7.271 J7.272 J7.273 J7.274 J7.275 J7.276 J7.277 J7.278 J7.279 J7.280 J7.281 J7.282 J7.283 J7.284 J7.286 J7.288 J9.4 J9.8 J9.11 J9.19 J9.20 J9.21 J9.22 J9.23 J9.24 J9.25 J9.26 J9.27 J9.28 J9.29 J9.30 J9.31 J9.50 J9.52 J9.54 J9.56 J9.58 J9.59 J9.61 J9.62 J9.63 J9.65 J9.67 J9.69 J9.72 J9.76 J9.79 J9.82 J9.83 J9.84 J9.85 J9.86 J9.110 J9.111 J9.112 J9.113 J9.114 J9.115 J9.116 J9.117 J9.118 J9.119 J9.120 J9.121 J9.122 J9.123 J9.124 J9.125 J9.126 J9.127 J9.128 J9.129 J9.130 J9.131 J9.132 J9.133 J9.134 J9.135 J9.136 J9.137 J9.138 J9.139 J9.140 J9.141 J9.142 J9.143 J9.144 J9.148 J9.149 J9.150 J9.151 J9.152 J9.155 J9.162 J9.163 J9.164 J9.165 J9.166 J9.167 J9.168 J9.169 J9.170 J9.171 J9.172 J9.173 J9.174 J9.175 J9.195 J9.196 J9.197 J9.199 J9.201 J9.204 J9.207 J9.210 J9.213 J9.216 J9.219 J9.220 J9.223 J9.226 J9.227 J9.228 J9.229 J9.230 J9.254 J9.255 J9.256 J9.257 J9.258 J9.259 J9.260 J9.261 J9.262 J9.263 J9.264 J9.265 J9.266 J9.267 J9.268 J9.269 J9.270 J9.271 J9.272 J9.273 J9.274 J9.275 J9.276 J9.277 J9.278 J9.279 J9.280 J9.281 J9.282 J9.283 J9.284 J9.286 J9.288 J11.4 J11.8 J11.11 J11.19 J11.20 J11.21 J11.22 J11.23 J11.24 J11.25 J11.26 J11.27 J11.28 J11.29 J11.30 J11.31 J11.50 J11.52 J11.54 J11.56 J11.58 J11.59 J11.60 J11.61 J11.63 J11.65 J11.67 J11.69 J11.72 J11.76 J11.79 J11.82 J11.83 J11.84 J11.85 J11.86 J11.110 J11.111 J11.112 J11.113 J11.114 J11.115 J11.116 J11.117 J11.118 J11.119 J11.120 J11.121 J11.122 J11.123 J11.124 J11.125 J11.126 J11.127 J11.128 J11.129 J11.130 J11.131 J11.132 J11.133 J11.134 J11.135 J11.136 J11.137 J11.138 J11.139 J11.140 J11.141 J11.142 J11.143 J11.144 J11.148 J11.149 J11.150 J11.151 J11.152 J11.155 J11.162 J11.163 J11.164 J11.165 J11.166 J11.167 J11.168 J11.169 J11.170 J11.171 J11.172 J11.173 J11.174 J11.175 J11.195 J11.196 J11.197 J11.199 J11.201 J11.204 J11.207 J11.210 J11.213 J11.216 J11.219 J11.220 J11.223 J11.226 J11.227 J11.228 J11.229 J11.230 J11.254 J11.255 J11.256 J11.257 J11.258 J11.259 J11.260 J11.261 J11.262 J11.263 J11.264 J11.265 J11.266 J11.267 J11.268 J11.269 J11.270 J11.271 J11.272 J11.273 J11.274 J11.275 J11.276 J11.277 J11.278 J11.279 J11.280 J11.281 J11.282 J11.283 J11.284 J11.286 J11.288 J12.2 J13.3 J13.5 J13.9 J15.3 J15.5 J15.9 J16.1 J16.10 J17.1 J17.10 J18.2 J19.2 J20.2 J21.2 J22.1 J22.6 J23.1 J23.6 J24.6 J26.2 J27.2 J28.1 J28.6 J29.1 J29.10 J32.2 J33.2 J34.1 J34.6 J35.4 J35.8 J35.11 J35.19 J35.20 J35.21 J35.22 J35.23 J35.24 J35.25 J35.26 J35.27 J35.28 J35.29 J35.30 J35.31 J35.50 J35.52 J35.54 J35.56 J35.58 J35.59 J35.61 J35.63 J35.65 J35.67 J35.69 J35.72 J35.76 J35.79 J35.82 J35.83 J35.84 J35.85 J35.86 J35.110 J35.111 J35.112 J35.113 J35.114 J35.115 J35.116 J35.117 J35.118 J35.119 J35.120 J35.121 J35.122 J35.123 J35.124 J35.125 J35.126 J35.127 J35.128 J35.129 J35.130 J35.131 J35.132 J35.133 J35.134 J35.135 J35.136 J35.137 J35.138 J35.139 J35.140 J35.141 J35.142 J35.143 J35.144 J35.148 J35.149 J35.150 J35.151 J35.152 J35.155 J35.162 J35.163 J35.164 J35.165 J35.166 J35.167 J35.168 J35.169 J35.170 J35.171 J35.172 J35.173 J35.174 J35.175 J35.195 J35.196 J35.197 J35.199 J35.201 J35.204 J35.207 J35.210 J35.213 J35.216 J35.219 J35.220 J35.223 J35.226 J35.227 J35.228 J35.229 J35.230 J35.254 J35.255 J35.256 J35.257 J35.258 J35.259 J35.260 J35.261 J35.262 J35.263 J35.264 J35.265 J35.266 J35.267 J35.268 J35.269 J35.270 J35.271 J35.272 J35.273 J35.274 J35.275 J35.276 J35.277 J35.278 J35.279 J35.280 J35.281 J35.282 J35.283 J35.284 J35.286 J35.288 J36.1 J36.10 J37.3 J37.5 J37.9 J40.3 J40.5 J40.9 Q4.2 Q5.2 Q6.2 Q7.2 R5.1 R7.1 R8.1 R10.1 R11.1 R12.1 R14.1 R15.1 R16.2 R21.1 R24.1 R25.1 R28.1 R29.1 R31.1 R32.1 R33.1 R34.1 R56.1 R60.1 R61.1 R62.1 R64.1 R65.1 R66.1 R68.1 R69.1 R72.1 R74.1 R75.1 R76.1 R79.1 R80.1 R87.1 R88.1 R91.1 R92.1 R94.1 R95.1 R105.1 R106.1 R108.1 R113.1 R114.1 R115.1 R116.1 R122.1 R124.1 R125.1 R133.1 R134.1 R135.1 R136.1 R137.1 R138.1 R139.1 R150.1 R152.1 R169.1 R170.1 R171.1 R172.1 R173.1 R174.1 R178.1 R179.1 R180.1 R184.1 R185.1 R186.1 R190.1 R207.1 R208.1 R209.1 R210.1 R211.1 R212.1 R216.1 R217.1 R218.1 R222.1 R223.1 R224.1 R242.1 R243.1 R248.2 R249.2 R250.2 R251.2 R253.2 R255.2 R257.2 R259.2 R261.2 R263.2 R265.2 R267.2 R269.2 R271.2 R273.2 R275.2 R277.2 R279.2 R281.2 R283.2 R285.2 R287.2 R289.2 R291.2 R293.2 R295.2 R297.2 R299.2 SW6.A SW7.A SW8.A SW11.A SW13.A TP1.1 TP2.1 TP3.1 TP4.1 TP5.1 U1.2 U2.5 U2.9 U2.11 U3.5 U3.9 U3.11 U4.2 U4.5 U5.2 U5.6 U6.2 U6.5 U7.2 U7.6 U8.2 U8.5 U9.2 U9.5 U10.2 U13.3 U16.1 U17.47 U17.50 U17.51 U17.81 U17.101 U17.107 U17.109 U17.123 U17.EPAD U18.5 U18.9 U18.11 U19.5 U19.9 U19.11 U20.5 U20.9 U20.11 U21.5 U21.9 U21.11 U22.5 U22.9 U22.11 U23.5 U23.9 U23.11 U24.5 U24.9 U24.11 U25.5 U25.9 U25.11 U27.2 U27.5 U28.2 U28.5 U29.2 U29.6 U30.5 U30.9 U30.11 U31.5 U31.9 U31.11 U32.5 U32.9 U32.11 U33.2 U33.5 U34.2 U34.5 U35.2 U35.6 U36.5 U36.9 U36.11 U37.5 U37.9 U37.11 U38.5 U38.9 U38.11 U39.3 U40.3 U41.3 U42.8 U42.20 U42.23 U42.35 U42.47 U43.2 U43.6 U44.2 U44.6 U45.2 U45.6 U46.2 U46.6 U47.4 U47.9 U47.12 U47.14 U48.4 U48.9 U48.12 U48.14 U49.4 U49.9 U49.12 U49.14 U50.4 U50.9 U50.12 U50.14 U51.1 U52.2 U52.5 U53.2 U53.5 U54.2 U54.5 U55.2 U55.5 U56.2 U56.5 U57.2 U57.5 U58.2 U58.5 U59.2 U59.5 USB2.13 USB2.14 USB2.15 USB2.16 USB2.A1B12 USB2.B1A12 Y1.2 Y2.2 Y2.4